# Altium PCB NCKH 2020_Dam.PcbDoc
Units mm, origin at the board's own origin, x right, y up, seen from the top; angles counter-clockwise.
Board outline 92.13 x 71.25 mm, 2 copper layers (Top Layer, Bottom Layer); 51 components, 33 nets, 160 pads, 45 vias.
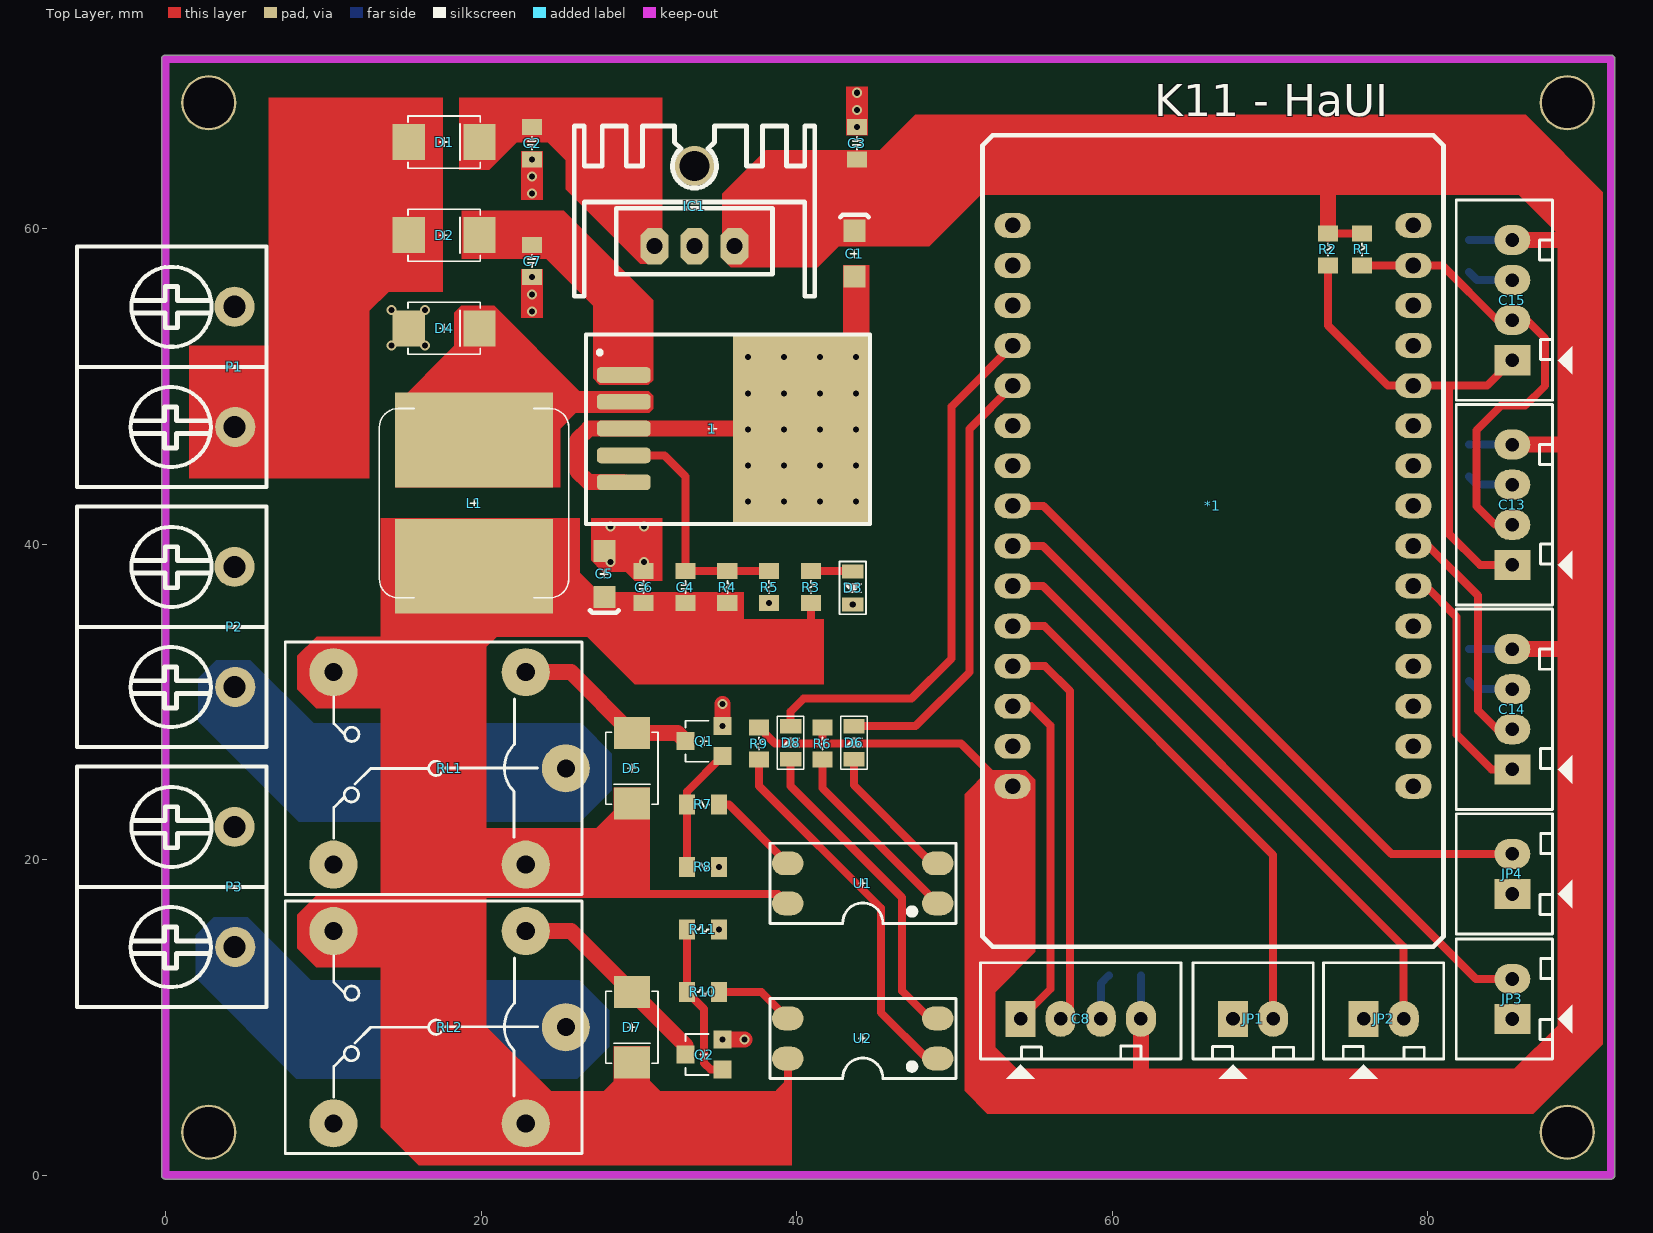
[diagram p0: Top Layer view]
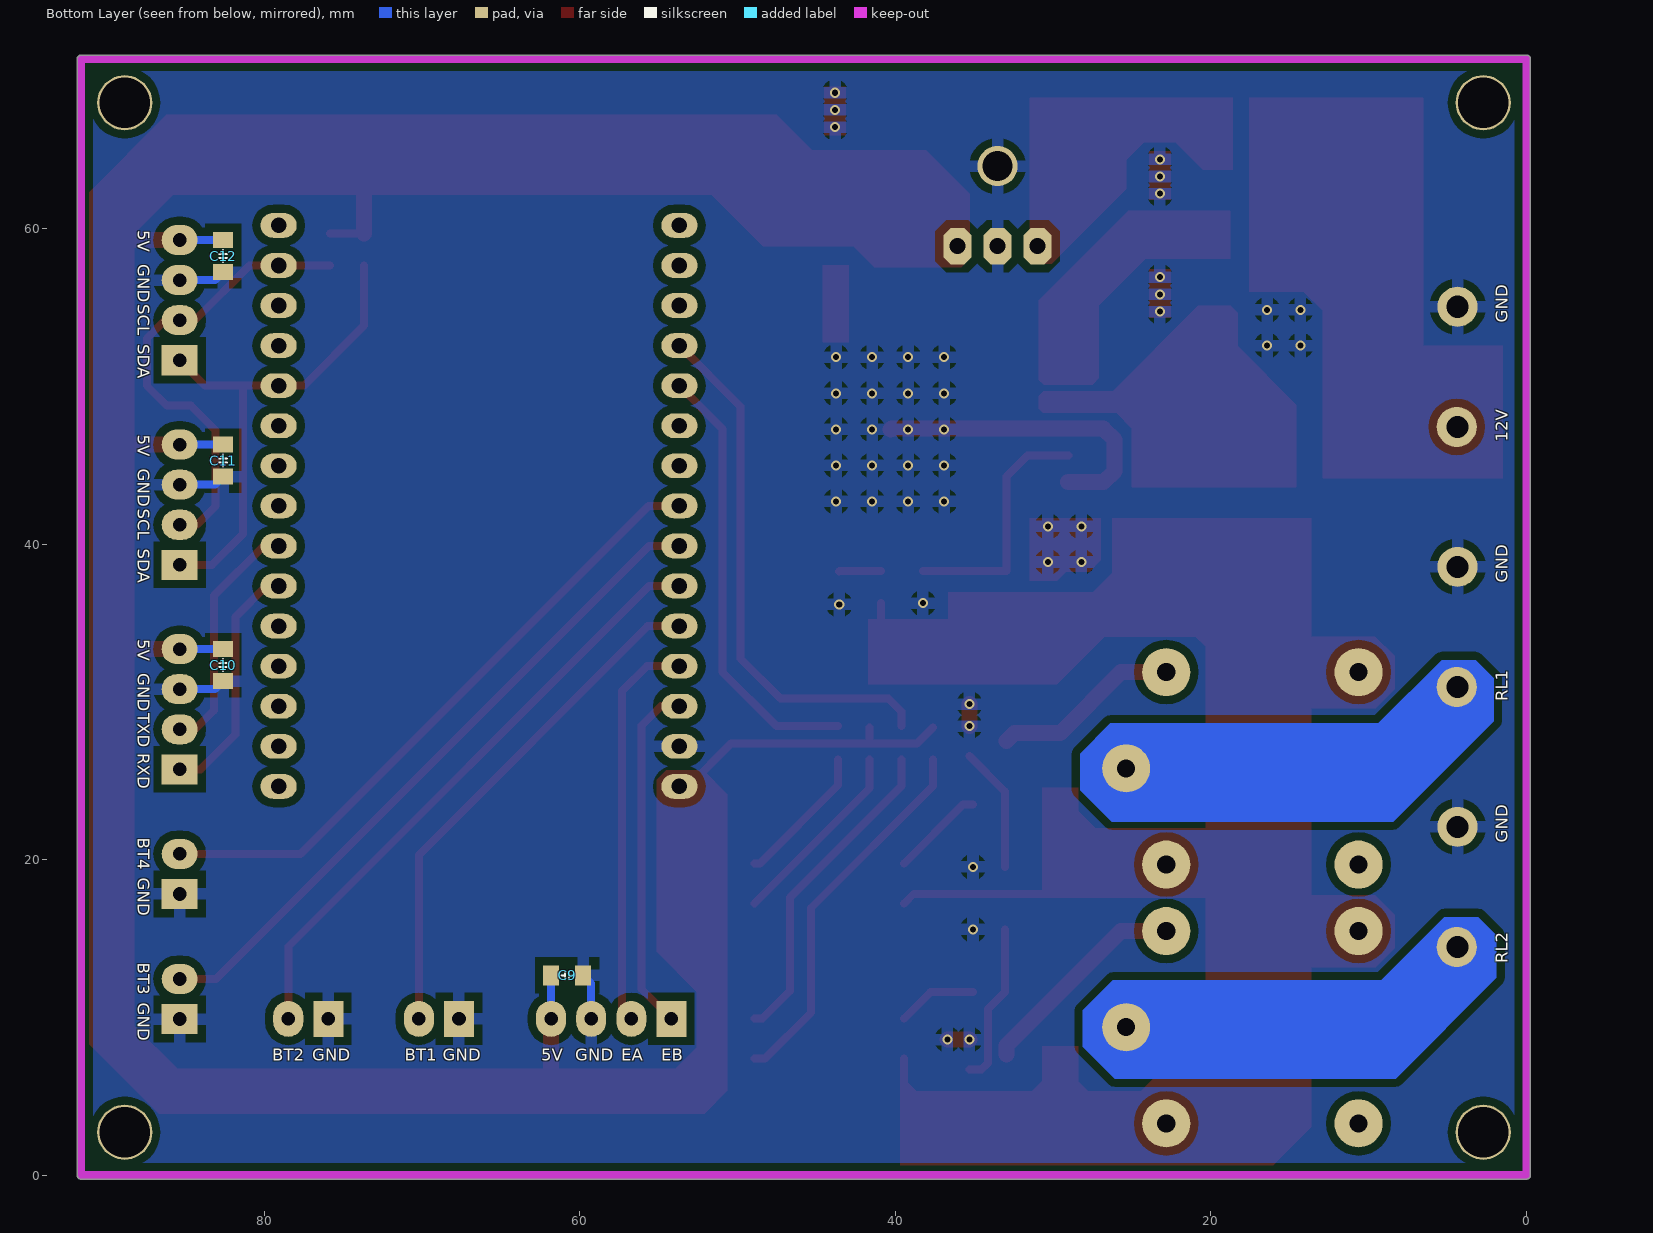
[diagram p1: Bottom Layer view, seen from below]

## Layer stack, top to bottom
Top Solder: solder mask 0.0102, Solder Resist, Dk 3.5
Top Layer: signal copper 0.0356
Dielectric 1: dielectric 0.32, FR-4, Dk 4.8
Bottom Layer: signal copper 0.0356
Bottom Solder: solder mask 0.0102, Solder Resist, Dk 3.5

## Board outline
-0.254,0 -0.254,70.739 cw(c0,70.739) 0,70.993 91.618,70.993 cw(c91.618,70.739) 91.872,70.739 91.872,0 cw(c91.618,0) 91.618,-0.254 0,-0.254 cw(c0,0)

## Design rules (kind name [scope] priority, off if disabled: settings)
Clearance Clearance_1 [(InNamedPolygon('phu mass'))] p1: gap=0.254 ignorepadtopadclearanceinfootprint=FALSE except(0: Arc-Hole Track-Hole SMDPad-Hole THPad-Hole Via-Hole Fill-Hole Poly-Hole Region-Hole Text-Hole; 0.508: Arc-Fill Arc-Poly Arc-Region Track-Fill Track-Poly Track-Region SMDPad-Fill SMDPad-Poly SMDPad-Region THPad-Fill THPad-Poly THPad-Region Via-Fill Via-Poly Via-Region Fill-Fill Fill-Poly Fill-Region Poly-Poly Poly-Region Region-Region)
Clearance [All] p2: gap=0.254 ignorepadtopadclearanceinfootprint=FALSE except(0: Arc-Hole Track-Hole SMDPad-Hole THPad-Hole Via-Hole Fill-Hole Poly-Hole Region-Hole Text-Hole)
PlaneConnect [All] p1: planeconnectstyle=Relief reliefexpansion=0.508 reliefentries=4 reliefconductorwidth=0.762 reliefairgap=0.508
PolygonConnect [All] p1: connectstyle=Relief reliefconductorwidth=0.762 reliefentries=4 polygonreliefangle="90 Angle" airgapwidth=0.508
RoutingVias [All] p1: holewidth=0.711 width=1.27 viastyle="Through Hole" minholewidth=0.711 minwidth=1.27 maxholewidth=0.711 maxwidth=1.27
SolderMaskExpansion [All] p1: expansion=0.102
Width [All] p1: maxlimit=2.54 minlimit=0.254 preferedwidth=0.254
29 further rules are at their usual default settings.

## Components (designator, comment, footprint, x,y, rotation, side; value= is the part's Value field where it differs from the comment)
1 "LM2596" TO263 34.671,47.32 r270 top
*1 "Module ESP32" "Module ESP32" 67.031,41.148 r0 top
C1 "10uF case A 3216" "CAP TANTALUM A CASE" 43.666,58.411 r270 top
C2 "104" CAP-0805-SC 23.241,65.405 r270 top
C3 "104" CAP-0805-SC 43.817,65.405 r90 top
C4 "104" CAP-0805-SC 32.945,37.269 r90 top
C5 "10uF case A 3216" "CAP TANTALUM A CASE" 27.813,38.102 r90 top
C6 "104" CAP-0805-SC 30.294,37.269 r90 top
C7 "104" CAP-0805-SC 23.241,57.937 r270 top
C8 "encoder" Header4 54.204,9.906 r0 top
C9 "104" CAP-0805-SC 60.808,12.672 r180 bottom
C10 "104" CAP-0805-SC 82.604,32.322 r270 bottom
C11 "104" CAP-0805-SC 82.604,45.288 r270 bottom
C12 "104" CAP-0805-SC 82.604,58.255 r270 bottom
C13 "lcd" Header4 85.369,38.684 r90 top
C14 "vantay" Header4 85.369,25.717 r90 top
C15 "nhiptim" Header4 85.369,51.651 r90 top
D1 "M4" "DO 214AC" 17.653,65.481 r0 top
D2 "M4" "DO 214AC" 17.653,59.576 r0 top
D3 "LED" LED_SMD_0805 43.561,37.218 r270 top
D4 "SS34" "DO 214AC" 17.653,53.67 r0 top value=1A-Schottkey
D5 "M4" "DO 214AC" 29.566,25.781 r270 top
D6 "LED" LED_SMD_0805 43.637,27.407 r90 top
D7 "M4" "DO 214AC" 29.566,9.373 r270 top
D8 "LED" LED_SMD_0805 39.624,27.407 r90 top
IC1 "LM7805" QTO-220H3 30.988,58.877 r0 top
JP1 "JP2" CON2 67.666,9.906 r0 top value="Connector 2"
JP2 "JP2" CON2 75.946,9.906 r0 top value="Connector 2"
JP3 "JP2" CON2 85.369,9.893 r90 top value="Connector 2"
JP4 "JP2" CON2 85.369,17.818 r90 top value="Connector 2"
L1 "47uH 3A" "INDUCTOR SMD 3A" 19.558,42.593 r180 top
P1 "HEADER 2" KF7.62 4.369,51.232 r270 top
P2 "HEADER 2" KF7.62 4.369,34.747 r270 top
P3 "HEADER 2" KF7.62 4.369,18.263 r270 top
Q1 "C1815" SOT23 34.138,27.511 r90 top
Q2 "C1815" SOT23 34.138,7.643 r90 top
R1 "10k" RES-0805-SC 75.844,58.674 r90 top
R2 "10k" RES-0805-SC 73.685,58.674 r90 top
R3 "330R" RES-0805-SC 40.909,37.269 r270 top
R4 "1k" RES-0805-SC 35.606,37.269 r270 top
R5 "330R" RES-0805-SC 38.258,37.269 r90 top
R6 "330R" RES-0805-SC 41.631,27.356 r90 top
R7 "10k" RES-0805-SC 34.067,23.495 r0 top
R8 "10k" RES-0805-SC 34.067,19.533 r180 top
R9 "330R" RES-0805-SC 37.617,27.356 r90 top
R10 "10k" RES-0805-SC 34.067,11.608 r0 top
R11 "10k" RES-0805-SC 34.067,15.57 r180 top
RL1 "Relay 10A/12V" RL_SPDT_10A 25.375,25.781 r180 top value="Relay SPDT, 10A, 12V"
RL2 "Relay 10A/12V" RL_SPDT_10A 25.375,9.373 r180 top value="Relay SPDT, 10A, 12V"
U1 "PC817" PC817 44.196,18.488 r180 top
U2 "PC817" PC817 44.196,8.658 r180 top

## Footprints (in the part's own frame and the unit in brackets; to place one, negate y for a bottom-side part, rotate by r counter-clockwise, add the part's x,y. Pads: shape width x height; smd on the part's side, far side on the other; paste and mask are expansions set on the pad)
"CAP TANTALUM A CASE" [mm]
  rect 1.4x1.4 smd: 1(-1.45,0) 2(1.45,0)
  silkscreen extent -2.46,-0.9 0.25,0.9, body extent -1.68,-0.9 1.72,0.9, height 1.81
CAP-0805-SC [mil] "smdchip"
  rect 40x50 smd: 1(-39.99,-0.39) 2(40.01,-0.39)
  silkscreen extent -15,-10 15,10, body extent -39,-25 39,25, height 31
CON2 [mil] "CON2"
  rect 75x90 hole 34: 1(0,0)
  oval 75x90 hole 34: 2(100,0)
  silkscreen extent -100,-150 200,140, body extent -68,-70 168,107, height 236
"DO 214AC" [mil]
  rect 80x90 smd: 1(-88,0) 2(88,0)
  silkscreen extent -90,-65 90,65, body extent -101,-53 100,52, height 85
Header4 [mil] "CON4"
  rect 75x90 hole 34: 1(0,0)
  oval 75x90 hole 34: 2(100,0) 3(200,0) 4(300,0)
  silkscreen extent -100,-150 400,140, body extent -90,-90 398,136, height 276
"INDUCTOR SMD 3A" [mm]
  rect 10x6 smd: 1(0,-4) 2(0,4)
  silkscreen extent -6,-6 6,6, body extent -6.25,-6.4 6.25,6.1, height 6.68
KF7.62 [mm]
  round 2.54 hole 1.4: 1(-3.81,0)
  round 2.54 hole 1.4 copper offset 0,0.051: 2(3.81,0)
  silkscreen extent -7.62,-9.97 7.62,2.03, body extent -8.08,-9.89 8.04,2.11, height 12.56
LED_SMD_0805 [mm]
  rect 0.9x1.35 smd: 1(-1.05,0) 2(1.05,0)
  silkscreen extent -1.68,-0.84 1.68,0.84, body extent -1.01,-0.62 1.01,0.63, height 1.1
"Module ESP32" [mil]
  oval 90x62 hole 39: 1(-525,750) 2(-525,650) 3(-525,550) 4(-525,450) 5(-525,350) 6(-525,250) 7(-525,150) 8(-525,50) 9(-525,-50) 10(-525,-150) 11(-525,-250) 12(-525,-350) 13(-525,-450) 14(-525,-550) 15(-525,-650) 16(475,-650) 17(475,-550) 18(475,-450) 19(475,-350) 20(475,-250) 21(475,-150) 22(475,-50) 23(475,50) 24(475,150) 25(475,250) 26(475,350) 27(475,450) 28(475,550) 29(475,650) 30(475,750)
  silkscreen extent -600,-1050 550,975, body extent -587,-1034 535,971, height 441
PC817 [mm]
  oval 2x1.5 smd: 1(-4.75,1.27) 2(-4.75,-1.27) 3(4.75,-1.27) 4(4.75,1.27)
  silkscreen extent -5.91,-2.54 5.89,2.55, body extent -5,-2.29 5,2.29, height 3.85
QTO-220H3 [mil] "TO-220 1-2-3"
  oct 70x90 hole 40: 1(0,0) 2(100,0) 3(200,0)
  round 100 hole 75: 2(100,200)
  silkscreen extent -200,-125 400,300, body extent -190,-102 392,323, height 984
RES-0805-SC [mil]
  rect 40x50 smd: 1(-40,0) 2(40,0)
  silkscreen extent -15,-10 15,10, body extent -38,-25 40,25, height 31
RL_SPDT_10A [mil] "Relay SPDT, 5 pin, 10A,W 650mil, L 800mil, H 800mil"
  round 120 hole 45: 1(0,0) 2(580,240) 3(580,-240) 4(100,-240) 5(100,240)
  silkscreen extent -40,-315 700,315, body extent -46,-304 706,306, height 602
SOT23 [mil]
  rect 45x45 smd: 1(-37.4,-46.26) 2(37.4,-46.26) 3(0,46.26)
  silkscreen extent -51,-12 51,46, body extent -59,-50 59,50, height 43
TO263 [mm]
  rrect50% 1x3.4 smd: 1(-3.4,-5.626) 2(-1.7,-5.626) 3(0,-5.626) 4(1.7,-5.626) 5(3.4,-5.626)
  rect 12x8.634 smd: 3(0.051,5.626)
  silkscreen extent -5.95,-8.01 6.05,9.99, body extent -5.11,-6.5 5.05,8.14, height 4.57

## Part data
C1 C5: library part "CAP TANTALUM"
C2 C3 C4 C6 C7 C9 C10 C11 C12: library part CAP-SMDCHIP
C8 C13 C14 C15: library part Header4, "Header IDC, 4 x 1 Pin Vertical 2.54mm Pitch (Non-Boxed, Male)", Manufacturer="Würth Elektronik eiSos GmbH", partNo=613002143121, ComponentLink1 Description=Manufacturer, ComponentLink1URL=http://www.we-online.com, ComponentLink2 Description=Datasheet, ComponentLink2URL=http://katalog.we-online.de/em/datasheet/6130xx143121.pdf, Created by="Karrer Zheng", Created Date="29 March 2013", NoPins=02
D1 D2 D5 D7: library part DIODE
D4: library part "DIODE SCHOTTKY"
IC1: library part LM78xx, "On ap +, from + 5 to + 24VDC", =LM7808
JP1 JP2 JP3 JP4: library part Con2, "Connector 2"
L1: library part INDUCTOR
R1 R2 R3 R4 R5 R6 R7 R8 R9 R10 R11: library part RES
RL1 RL2: library part "Relay 1", "Relay SPDT,10A - 12VDC 5 Pin", ="Relay SPDT, 10A, 24V"

## Free pads (board coordinates)
  round 3.5 hole 3.2: 1(2.743,67.97) 2(2.743,2.718) 3(88.849,2.718) 4(88.849,67.97)

## Via types
v1: diameter 0.635, hole 0.381, Top Layer to Bottom Layer, tented both sides, 45 vias

## Nets (pads, with @x,y where several pads share a name; then routed paths per layer and width w, separated by ;. In a path a pad name is that pad's centre, name@x,y a point inside that pad or via, vN(x,y) a via of type N, cw(c..) or ccw(c..) an arc to the next point about the centre after c; other vN are vias at no path point)
+5_2596: C4.1 C5.1 C6.1 D5.2 D7.2 L1.2 R3.2 R4.2 RL1.3 RL1.5 RL2.3 RL2.5 U1.4 U2.4 | length 130.7
  Top Layer w0.508: L1.2 21.499,36.652 C5.1 28.212,36.253 C6.1 C4.1 R4.2 35.606,35.742 36.398,34.95 40.909,34.95 R3.2 ; RL2.5 29.566,3.277 39.446,3.277 ; 25.705,19.685 27.559,17.831 38.834,17.831 U1.4 ; 38.303,4.623 39.446,5.766 ; 39.446,4.242 39.446,5.766 ; U2.4 39.446,5.766
  Top Layer w1.016: RL2.3 19.507,15.469 19.558,15.519 ; RL1.3 19.406,31.877 19.558,32.029 ; L1.2 19.558,32.029 ; RL2.5 19.558,6.553 19.558,15.519 ; 29.566,3.277 D7.2 ; D5.2 25.705,19.685 RL1.5 19.634,19.685 19.558,19.761 ; 19.558,15.519 19.558,19.761 ; 19.558,19.761 19.558,32.029
+5_7805: *1.15 C1.1 C3.1 C8.4 C9.1 C10.1 C11.1 C12.1 C13.4 C14.4 C15.4 IC1.3 R1.2 R2.2 R6.2 R9.2 | length 224.5
  Top Layer w0.508: R9.2 38.633,27.356 41.605,27.356 ; R6.2 41.631,27.381 41.605,27.356 ; *1.15 53.137,24.638 50.419,27.356 41.605,27.356 ; 61.824,5.563 61.849,5.537 ; R2.2 R1.2
  Top Layer w1.016: IC1.3 37.052,59.861 C1.1 43.827,60.022 C3.1 73.863,64.389 ; *1.15 51.511,22.454 51.511,7.366 53.34,5.537 61.849,5.537 86.995,5.537 89.459,8.001 89.459,33.325 ; 61.824,5.563 C8.4 ; R2.2 73.685,64.211 73.863,64.389 ; C14.4 89.446,33.337 89.459,33.325 ; C13.4 89.433,46.304 89.459,46.33 ; C15.4 89.395,59.271 89.459,59.334 ; 73.863,64.389 87.249,64.389 89.459,62.179 89.459,59.334 ; 89.459,33.325 89.459,46.33 ; 89.459,46.33 89.459,59.334
  Bottom Layer w0.508: C8.4 C9.1 ; C10.1 C14.4 ; C11.1 C13.4 ; C12.1 C15.4
+12: D1.1 D2.1 P1.2 | length 22.6
  Top Layer w1.016: P1.2 4.369,48.527 D2.1 D1.1
bt1: *1.11 JP1.2 | length 32.9
  Top Layer w0.508: *1.11 55.702,34.798 70.206,20.295 JP1.2
bt2: *1.10 JP2.2 | length 38.8
  Top Layer w0.508: *1.10 55.626,37.338 78.486,14.478 JP2.2
bt3: *1.9 JP3.2 | length 43
  Top Layer w0.508: *1.9 55.626,39.878 83.071,12.433 JP3.2
bt4: *1.8 JP4.2 | length 40.8
  Top Layer w0.508: *1.8 55.651,42.418 77.711,20.358 JP4.2
encoder_a: *1.12 C8.2 | length 25.3
  Top Layer w0.508: *1.12 55.753,32.258 57.328,30.683 57.328,10.49 C8.2
encoder_b: *1.13 C8.1 | length 22.3
  Top Layer w0.508: *1.13 54.864,29.718 56.083,28.499 56.083,11.786 C8.1
FB: 1.4 C4.2 R4.1 R5.2 | length 15.8
  Top Layer w0.508: 1.4 31.621,45.62 32.955,44.286 C4.2 R4.1 R5.2
GND: 1.3 1.5 *1.14 C1.2 C2.2 C3.2 C5.2 C6.2 C7.2 C8.3 C9.2 C10.2 C11.2 C12.2 C13.3 C14.3 C15.3 D3.2 D4.1 IC1.2 JP1.1 JP2.1 JP3.1 JP4.1 P1.1 P2.1 P3.1 Q1.2 Q2.2 R5.1 R8.1 R11.1 | length 34.4
  Top Layer w1.016: 1.5 26.819,43.92 26.111,44.628 26.111,46.609 26.822,47.32 29.045,47.32 40.246,47.32 1.3@40.297,47.269 ; v1(35.313,8.593) v1(36.704,8.593) ; v1(35.313,28.461) v1(35.313,29.852)
  Bottom Layer w0.508: C8.3 59.284,12.154 C9.2 ; C10.2 83.121,30.797 C14.3 ; C11.2 83.121,43.764 C13.3 ; C12.2 83.121,56.731 C15.3
  other v1: 35.083,15.57 35.083,19.533 43.561,36.168 38.258,36.253 28.219,38.862 30.34,38.862 28.219,41.123 30.34,41.123 36.906,42.697 39.192,42.697 41.478,42.697 43.764,42.697 36.906,44.983 39.192,44.983 41.478,44.983 43.764,44.983 36.906,47.269 39.192,47.269 41.478,47.269 43.764,47.269 36.906,49.555 39.192,49.555 41.478,49.555 43.764,49.555 36.906,51.841 39.192,51.841 41.478,51.841 43.764,51.841 14.326,52.578 16.446,52.578 23.231,54.737 14.326,54.839 16.446,54.839 23.231,55.829 23.231,56.921 23.231,62.205 23.231,63.297 23.231,64.389 43.827,66.421 43.827,67.513 43.827,68.605
Net1_1: 1.1 C7.1 D2.2 | length 15.1
  Top Layer w1.016: D2.2 22.609,59.576 C7.1 24.74,58.953 29.045,54.648 1.1
Net1_2: 1.2 D4.2 L1.1 | length 15
  Top Layer w0.508: D4.2 19.888,48.209 20.699,49.02 1.2
NetC2_1: C2.1 D1.2 IC1.1 | length 15.5
  Top Layer w1.016: D1.2 20.828,66.421 C2.1 24.917,66.421 30.988,60.35 IC1.1
NetD3_1: D3.1 R3.1 | length 2.7
  Top Layer w0.508: R3.1 43.544,38.285 D3.1
NetD5_1: D5.1 Q1.3 RL1.4 | length 11.9
  Top Layer w1.016: RL1.4 25.705,31.877 D5.1 32.457,28.016 Q1.3
NetD6_1: D6.1 U1.2 | length 9
  Top Layer w0.508: D6.1 43.637,24.714 48.593,19.758 U1.2
NetD7_1: D7.1 Q2.3 RL2.4 | length 13.7
  Top Layer w1.016: RL2.4 25.705,15.469 D7.1 32.963,8.211 Q2.3
NetD8_1: D8.1 U2.2 | length 20.6
  Top Layer w0.508: D8.1 39.624,24.663 46.685,17.602 46.685,11.684 48.441,9.928 U2.2
NetP2_2: P2.2 RL1.1 | length 23.1
  Bottom Layer w1.016: P2.2 9.525,25.781 RL1.1
NetP3_2: P3.2 RL2.1 | length 23.1
  Bottom Layer w1.016: P3.2 9.449,9.373 RL2.1
NetQ1_1: Q1.1 R7.1 R8.2 | length 8
  Top Layer w0.508: R8.2 R7.1 33.051,24.3 Q1.1
NetQ2_1: Q2.1 R10.1 R11.2 | length 10.3
  Top Layer w0.508: R11.2 R10.1 34.138,10.522 34.138,7.112 34.557,6.693 Q2.1
NetR6_1: R6.1 U1.1 | length 12.2
  Top Layer w0.508: R6.1 41.631,24.534 U1.1
NetR7_2: R7.2 U1.3 | length 5.9
  Top Layer w0.508: R7.2 35.709,23.495 U1.3
NetR9_1: R9.1 U2.1 | length 24
  Top Layer w0.508: R9.1 37.617,24.663 45.339,16.942 45.339,10.312 48.263,7.388 U2.1
NetR10_2: R10.2 U2.3 | length 5.1
  Top Layer w0.508: R10.2 37.767,11.608 U2.3
relay1: *1.5 D6.2 | length 28
  Top Layer w0.508: D6.2 47.532,28.457 50.952,31.877 50.952,47.295 *1.5
relay2: *1.4 D8.2 | length 34
  Top Layer w0.508: D8.2 39.624,29.375 40.449,30.201 47.295,30.201 49.835,32.741 49.835,48.717 *1.4
rx_vantay: *1.22 C14.2 | length 15.3
  Top Layer w0.508: *1.22 80.035,39.878 83.185,36.728 83.185,29.464 84.391,28.258 C14.2
scl: *1.29 C13.2 C15.2 R1.1 | length 29.6
  Top Layer w0.508: R1.1 *1.29 80.95,57.658 84.417,54.191 C15.2 86.296,54.191 87.452,53.035 87.452,50.038 86.182,48.768 84.658,48.768 83.083,47.193 83.083,42.418 84.277,41.224 C13.2
sda: *1.26 C13.1 C15.1 R2.1 | length 32
  Top Layer w0.508: R2.1 73.685,53.848 77.495,50.038 *1.26 81.356,50.038 ; C13.1 83.312,38.684 81.356,40.64 81.356,50.038 ; C15.1 83.756,50.038 81.356,50.038
tx_vantay: *1.21 C14.1 | length 15.4
  Top Layer w0.508: *1.21 79.883,37.338 81.839,35.382 81.839,27.94 84.061,25.717 C14.1
pads on no net: *1.1 *1.2 *1.3 *1.6 *1.7 *1.16 *1.17 *1.18 *1.19 *1.20 *1.23 *1.24 *1.25 *1.27 *1.28 *1.30 RL1.2 RL2.2

## Polygon pours and split planes (outlines as drawn)
GND on Bottom Layer "phu mass" (solid, pour order 0): 0,70.739 91.618,70.739 91.618,0 0,0

## Keep-outs
Keep-Out Layer:
  lines w0.508: 0,0 0,70.739 91.618,70.739 91.618,0 0,0

## Other copper
Top Layer:
  region net GND: 26.975,41.631 26.975,38.964 27.686,38.252 29.159,38.252 29.743,37.668 31.496,37.668 31.496,41.631
  region net GND: 42.951,57.658 42.951,52.781 44.602,52.781 44.602,57.658
  region net GND: 44.503,65.913 44.503,68.986 43.156,68.986 43.156,65.913
  region net +5_7805: 35.281,58.09 35.814,57.556 41.351,57.556 42.672,58.877 48.412,58.877 51.664,62.128 85.776,62.128 88.24,59.665 88.24,9.474 85.496,6.731 53.95,6.731 52.578,8.103 52.578,11.582 55.143,14.148 55.143,25.044 54.534,25.654 52.146,25.654 50.648,24.155 50.648,5.334 52.095,3.886 86.69,3.886 91.11,8.306 91.11,62.306 86.208,67.208 47.523,67.208 45.288,64.973 38.049,64.973 35.281,62.205
  region net +5_2596: 30.429,6.248 31.953,4.724 30.429,4.724
  region net +5_2596: 28.6,6.147 27.076,4.623 28.6,4.623
  region net +5_2596: 28.6,6.02
  region net +5_2596: 28.423,8.153 28.423,4.775 30.709,4.775 30.709,8.153
  region net +5_2596: 28.423,24.562 28.423,21.184 30.709,21.184 30.709,24.562
  region net +5_2596: 30.709,17.577 30.709,21.971 19.66,21.971 19.66,17.577
  region net +5_2596: 9.588,17.729 8.357,16.497 8.357,14.376 9.55,13.183 13.818,13.183 13.818,17.729
  region net +5_2596: 9.588,34.138 8.357,32.906 8.357,30.785 9.55,29.591 13.818,29.591 13.818,34.138
  region net +5_2596: 41.732,35.23 41.732,31.115 29.743,31.115 26.721,34.138 20.98,34.138 20.345,33.503 20.345,9.398 24.435,5.309 39.7,5.309 39.7,0.61 16.053,0.61 13.64,3.023 13.64,41.631 26.264,41.631 26.264,38.176 27.508,36.932 36.652,36.932 36.652,35.23
  region net Net1_2: 20.828,55.093 18.745,55.093 18.313,54.661 18.313,52.578 14.58,48.844 14.58,43.612 25.019,43.612 25.019,47.32 26.01,48.311 30.658,48.311 30.912,48.565 30.912,49.403 30.632,49.682 26.238,49.682
  region net Net1_1: 18.771,61.112 18.771,58.09 24.13,58.09 27.102,55.118 27.102,50.495 27.508,50.089 30.607,50.089 30.912,50.394 30.912,55.448 25.248,61.112
  region net GND: 22.555,57.429 22.555,54.356 23.901,54.356 23.901,57.429
  region net GND: 22.555,64.897 22.555,61.824 23.901,61.824 23.901,64.897
  region net NetC2_1: 18.618,68.301 18.618,63.729 20.523,63.729 22.25,65.456 24.232,65.456 25.375,64.313 25.375,62.484 30.099,57.76 31.013,57.76 31.471,58.217 31.471,68.301
  region net +12: 6.553,52.578 1.499,52.578 1.499,44.171 12.929,44.171 12.929,54.788 14.148,56.007 17.577,56.007 17.577,68.275 6.553,68.275
Bottom Layer:
  region net NetP3_2: 3.048,16.358 5.207,16.358 9.22,12.344 26.213,12.344 28.118,10.439 28.118,8.128 26.111,6.121 8.28,6.121 1.905,12.497 1.905,15.215
  region net NetP2_2: 3.226,32.639 5.385,32.639 9.398,28.626 26.391,28.626 28.296,26.721 28.296,24.409 26.289,22.403 8.458,22.403 2.083,28.778 2.083,31.496

## Silkscreen, mask and mechanical layers (free items; w line width, h text height)
Top Overlay:
  text "K11 - HaUI" at 62.687,67.107 h2.03
Bottom Overlay:
  text "5V" at 88.036,59.906 h0.76 r90
  text "GND" at 88.036,57.747 h0.76 r90
  text "SCL" at 88.036,55.207 h0.76 r90
  text "GND" at 1.194,54.026 h0.76 r270
  text "SDA" at 88.036,52.667 h0.76 r90
  text "5V" at 88.036,46.939 h0.76 r90
  text "12V" at 1.194,46.47 h0.76 r270
  text "GND" at 88.036,44.78 h0.76 r90
  text "SCL" at 88.036,42.24 h0.76 r90
  text "SDA" at 88.036,39.7 h0.76 r90
  text "GND" at 1.194,37.542 h0.76 r270
  text "5V" at 88.036,33.972 h0.76 r90
  text "GND" at 88.036,31.813 h0.76 r90
  text "RL1" at 1.194,30.048 h0.76 r270
  text "TXD" at 88.036,29.273 h0.76 r90
  text "RXD" at 88.036,26.733 h0.76 r90
  text "BT4" at 88.036,21.374 h0.76 r90
  text "GND" at 1.194,21.057 h0.76 r270
  text "GND" at 88.036,18.834 h0.76 r90
  text "RL2" at 1.194,13.437 h0.76 r270
  text "BT3" at 88.036,13.449 h0.76 r90
  text "GND" at 88.036,10.909 h0.76 r90
  text "EB" at 54.838,7.239 h0.76
  text "EA" at 57.378,7.239 h0.76
  text "GND" at 60.299,7.239 h0.76
  text "5V" at 62.458,7.239 h0.76
  text "GND" at 68.681,7.239 h0.76
  text "BT1" at 71.094,7.239 h0.76
  text "GND" at 76.962,7.239 h0.76
  text "BT2" at 79.502,7.239 h0.76
Bottom Solder:
  lines w2.54: 4.369,14.453 9.449,9.373 25.375,9.373 ; 4.369,30.861 9.449,25.781 25.375,25.781